# Altium PCB 400708.PcbDoc (part 1 of 4)
Units mm, origin at the board's own origin, x right, y up, seen from the top; angles counter-clockwise.
Board outline 117 x 63.5 mm, 4 copper layers (Top Layer, Mid-Layer 1, Mid-Layer 2, Bottom Layer), stack 1.556 mm thick; 207 components, 162 nets, 822 pads, 1266 vias.
Unrouted connection lines stored in the file: 43.
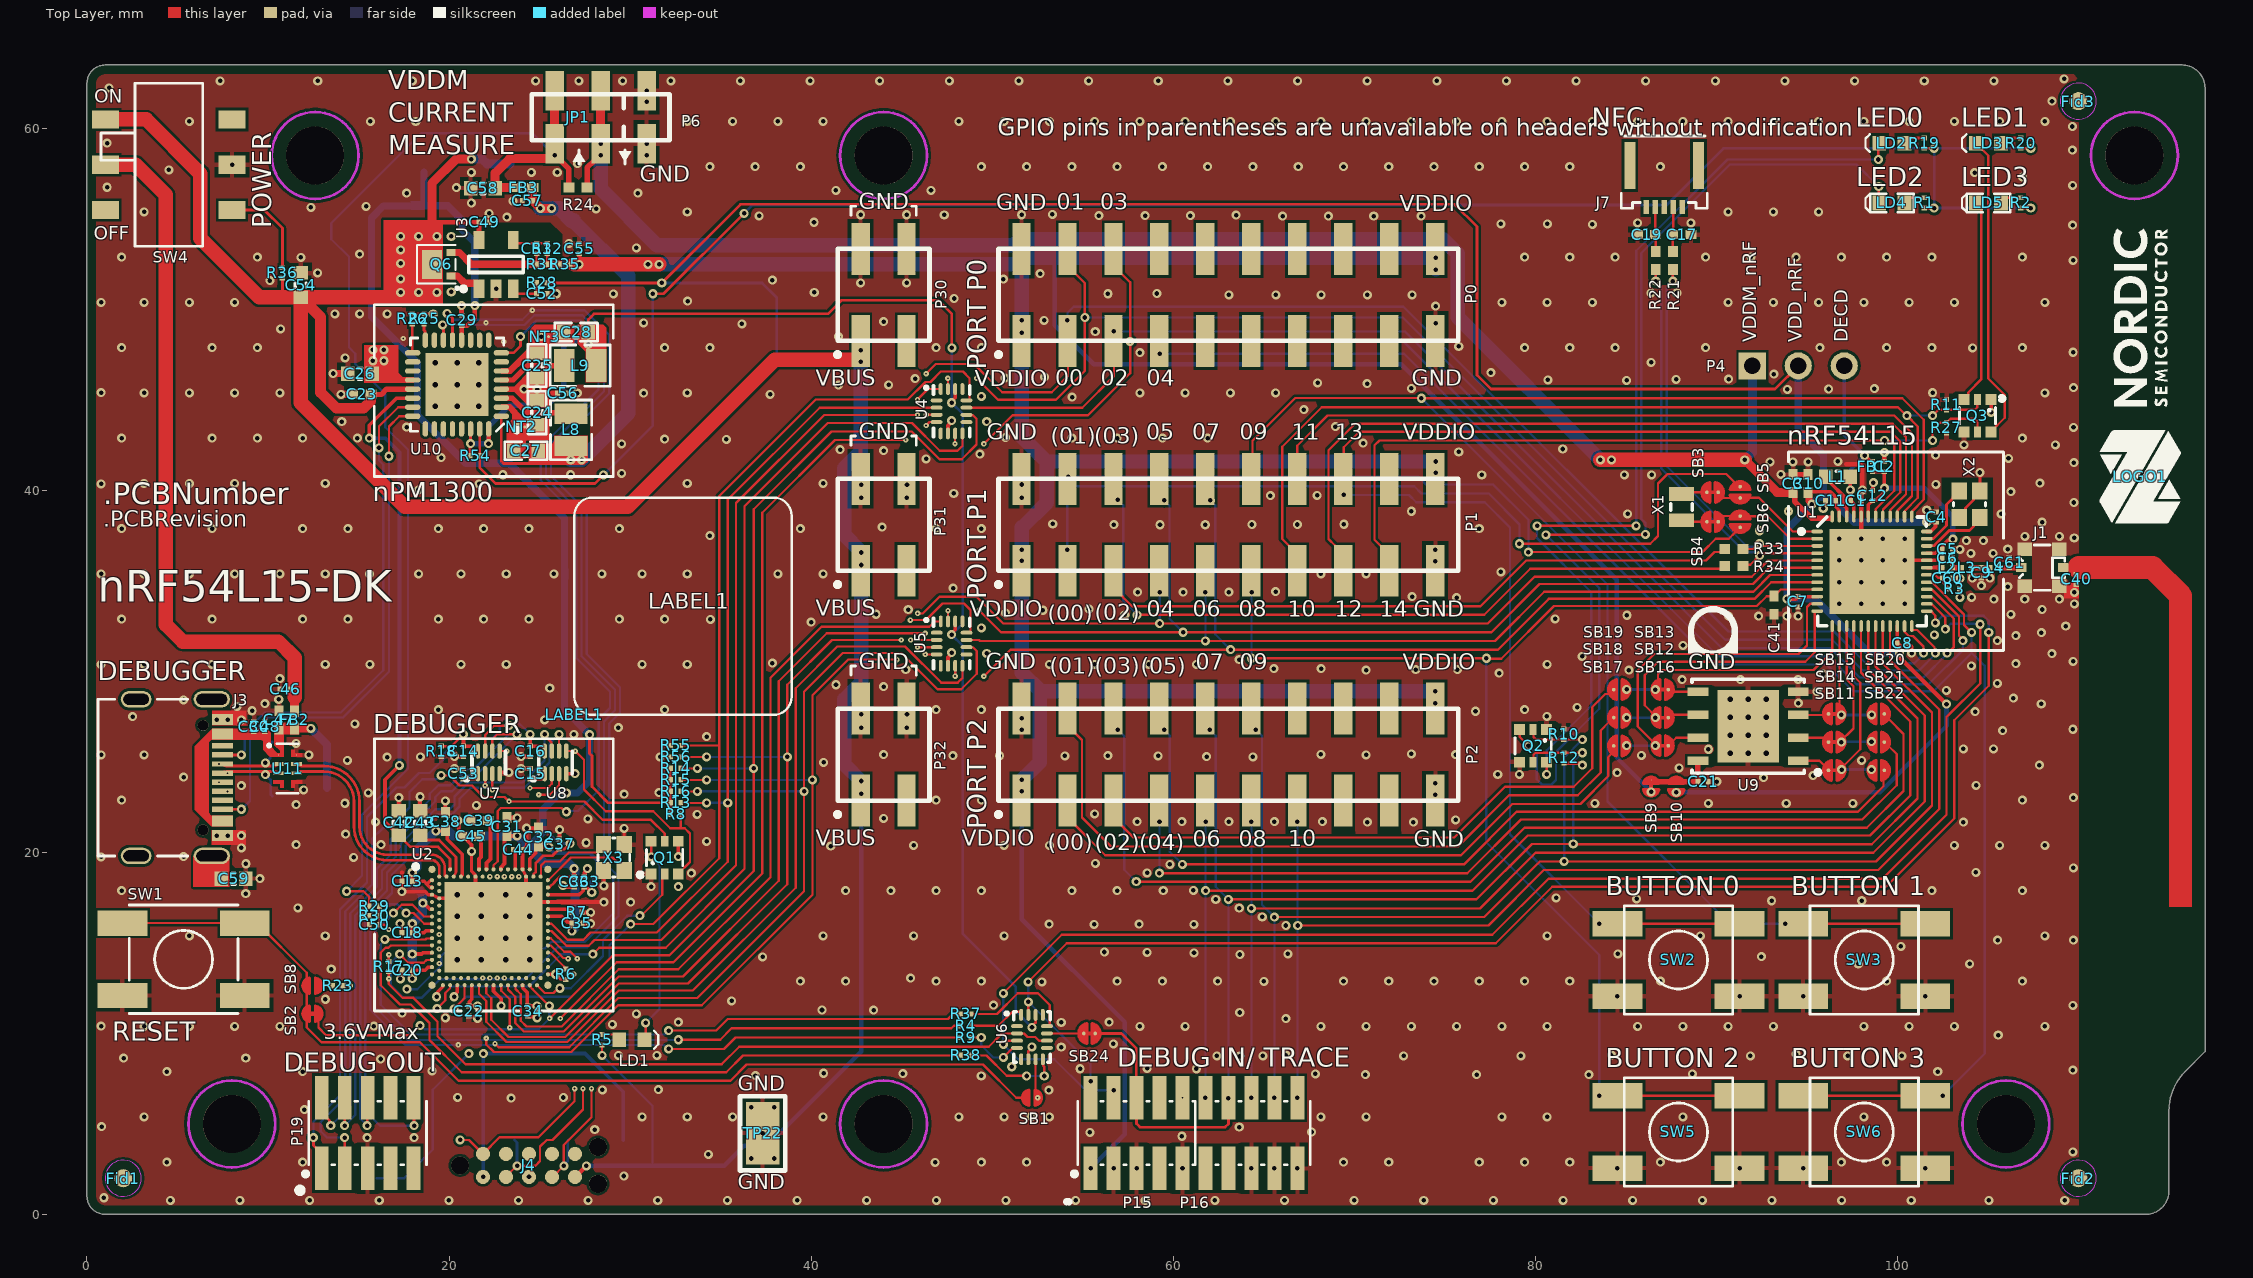
[diagram p0: Top Layer view]
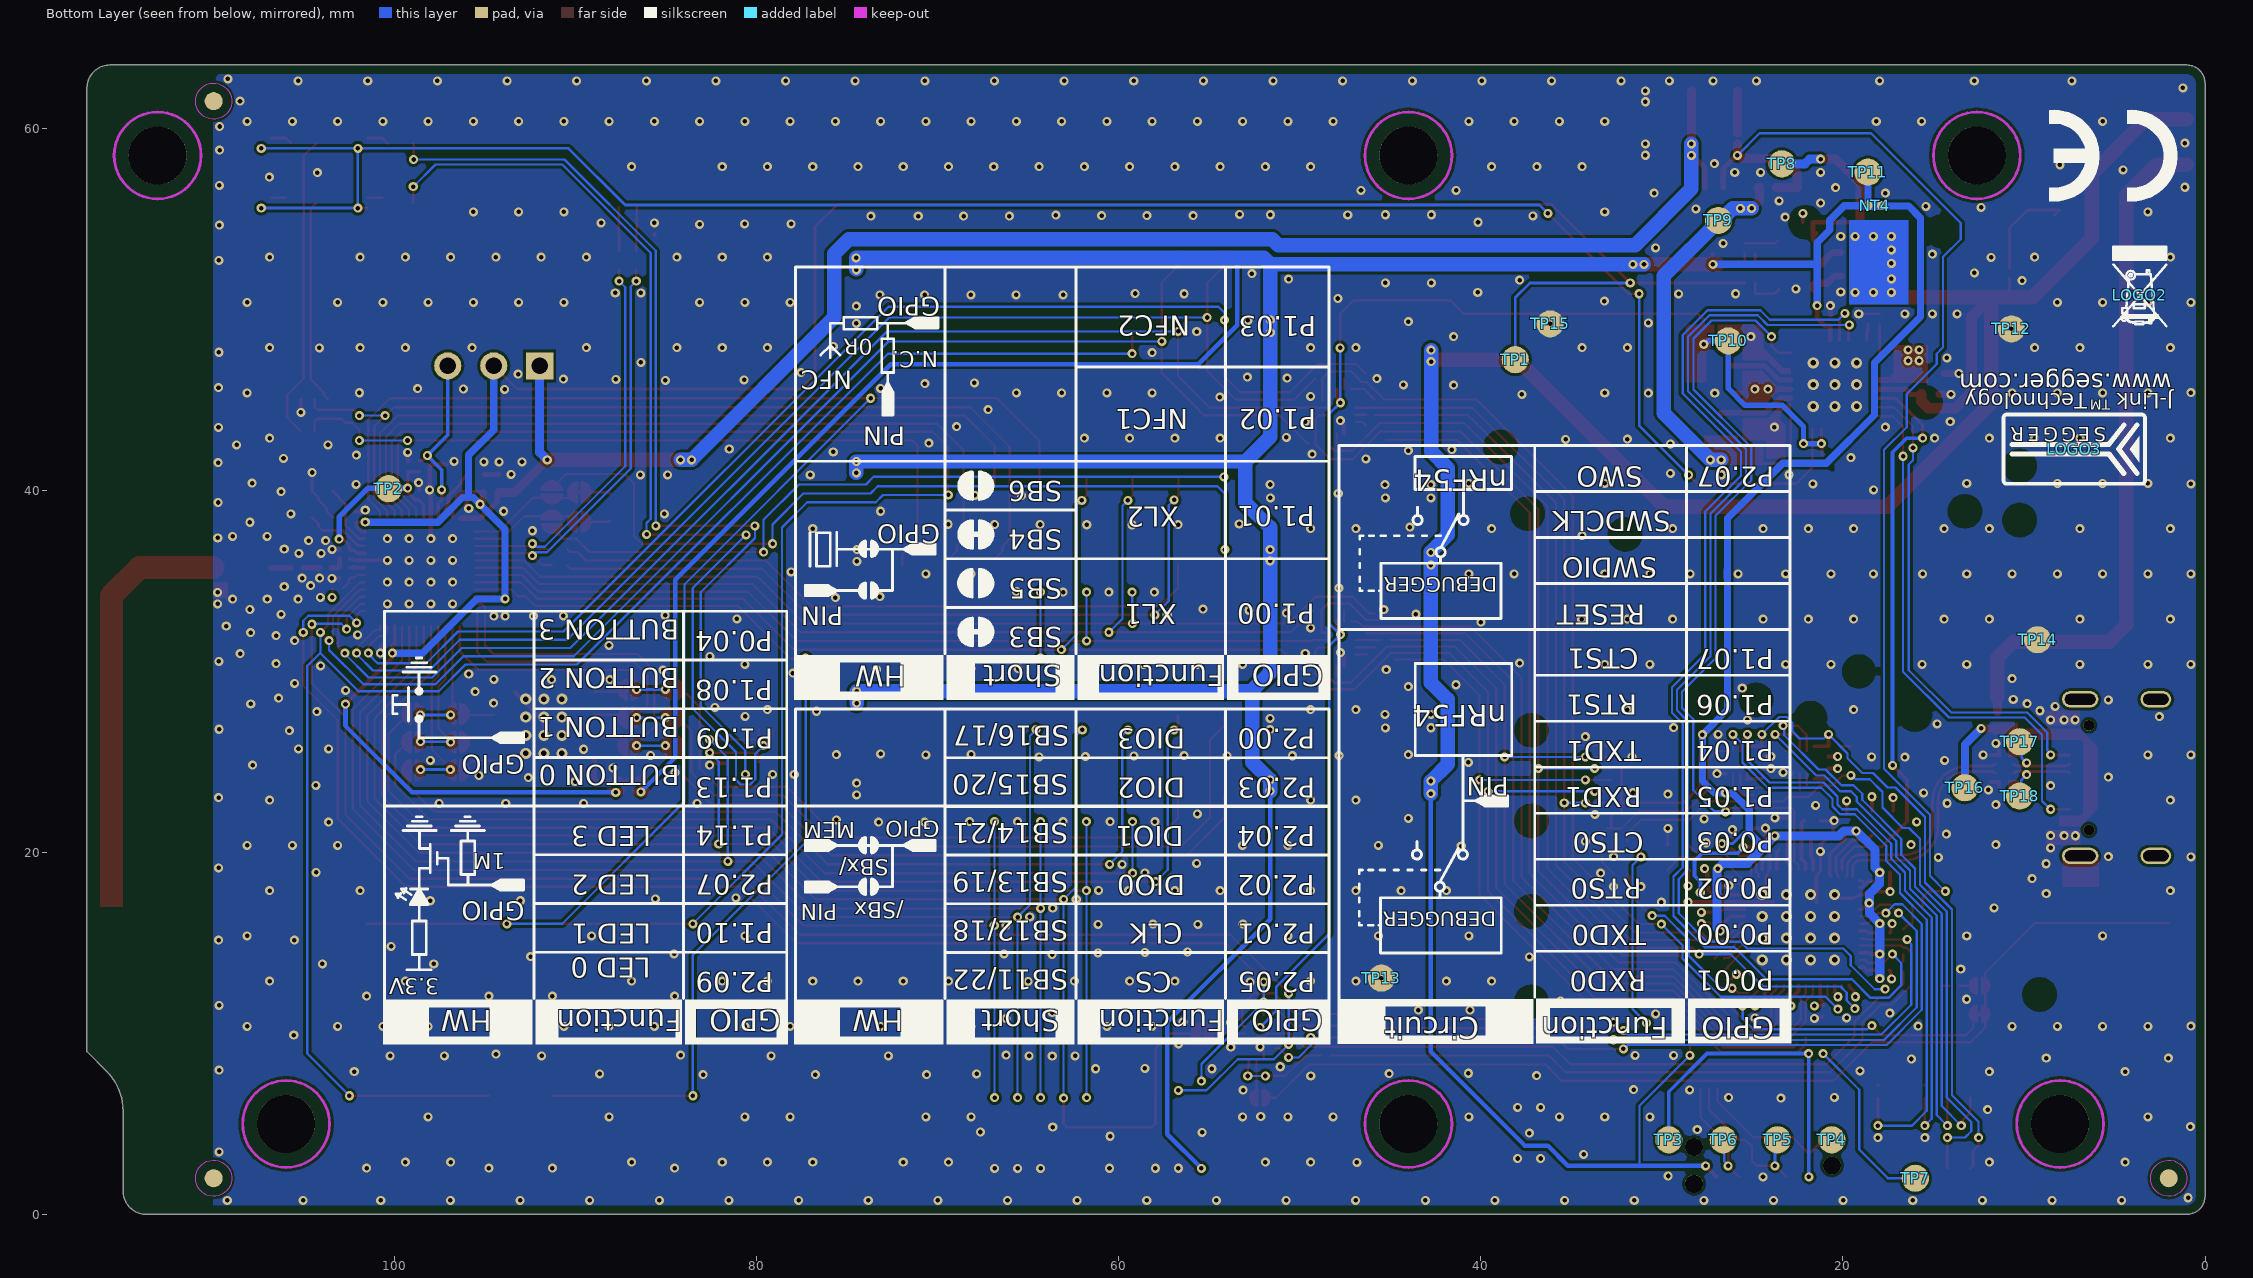
[diagram p1: Bottom Layer view, seen from below]
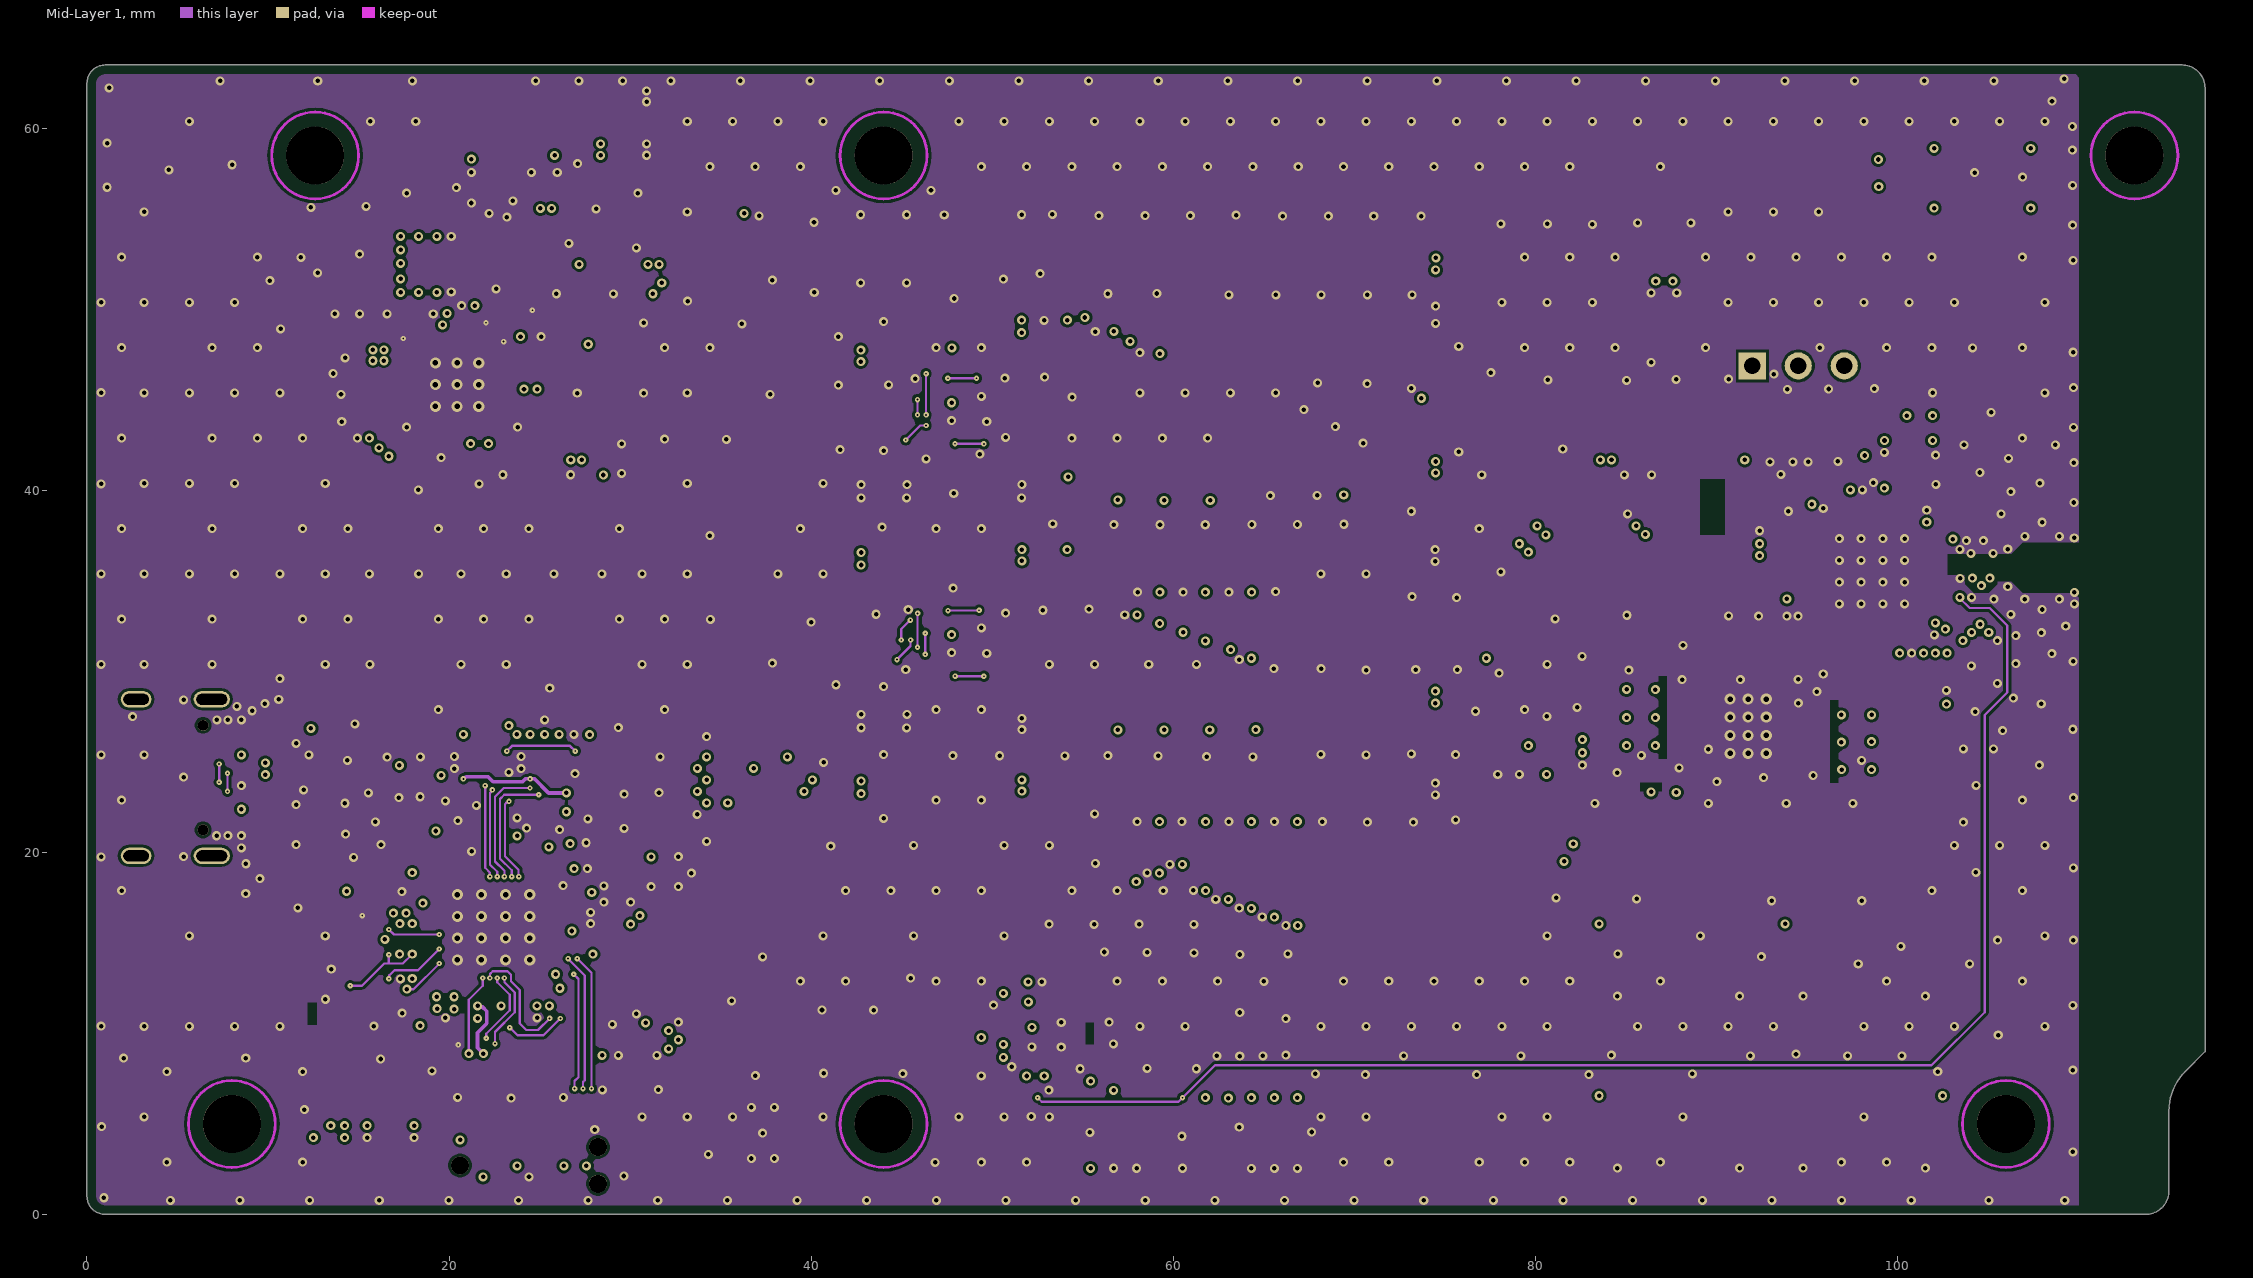
[diagram p2: Mid-Layer 1]
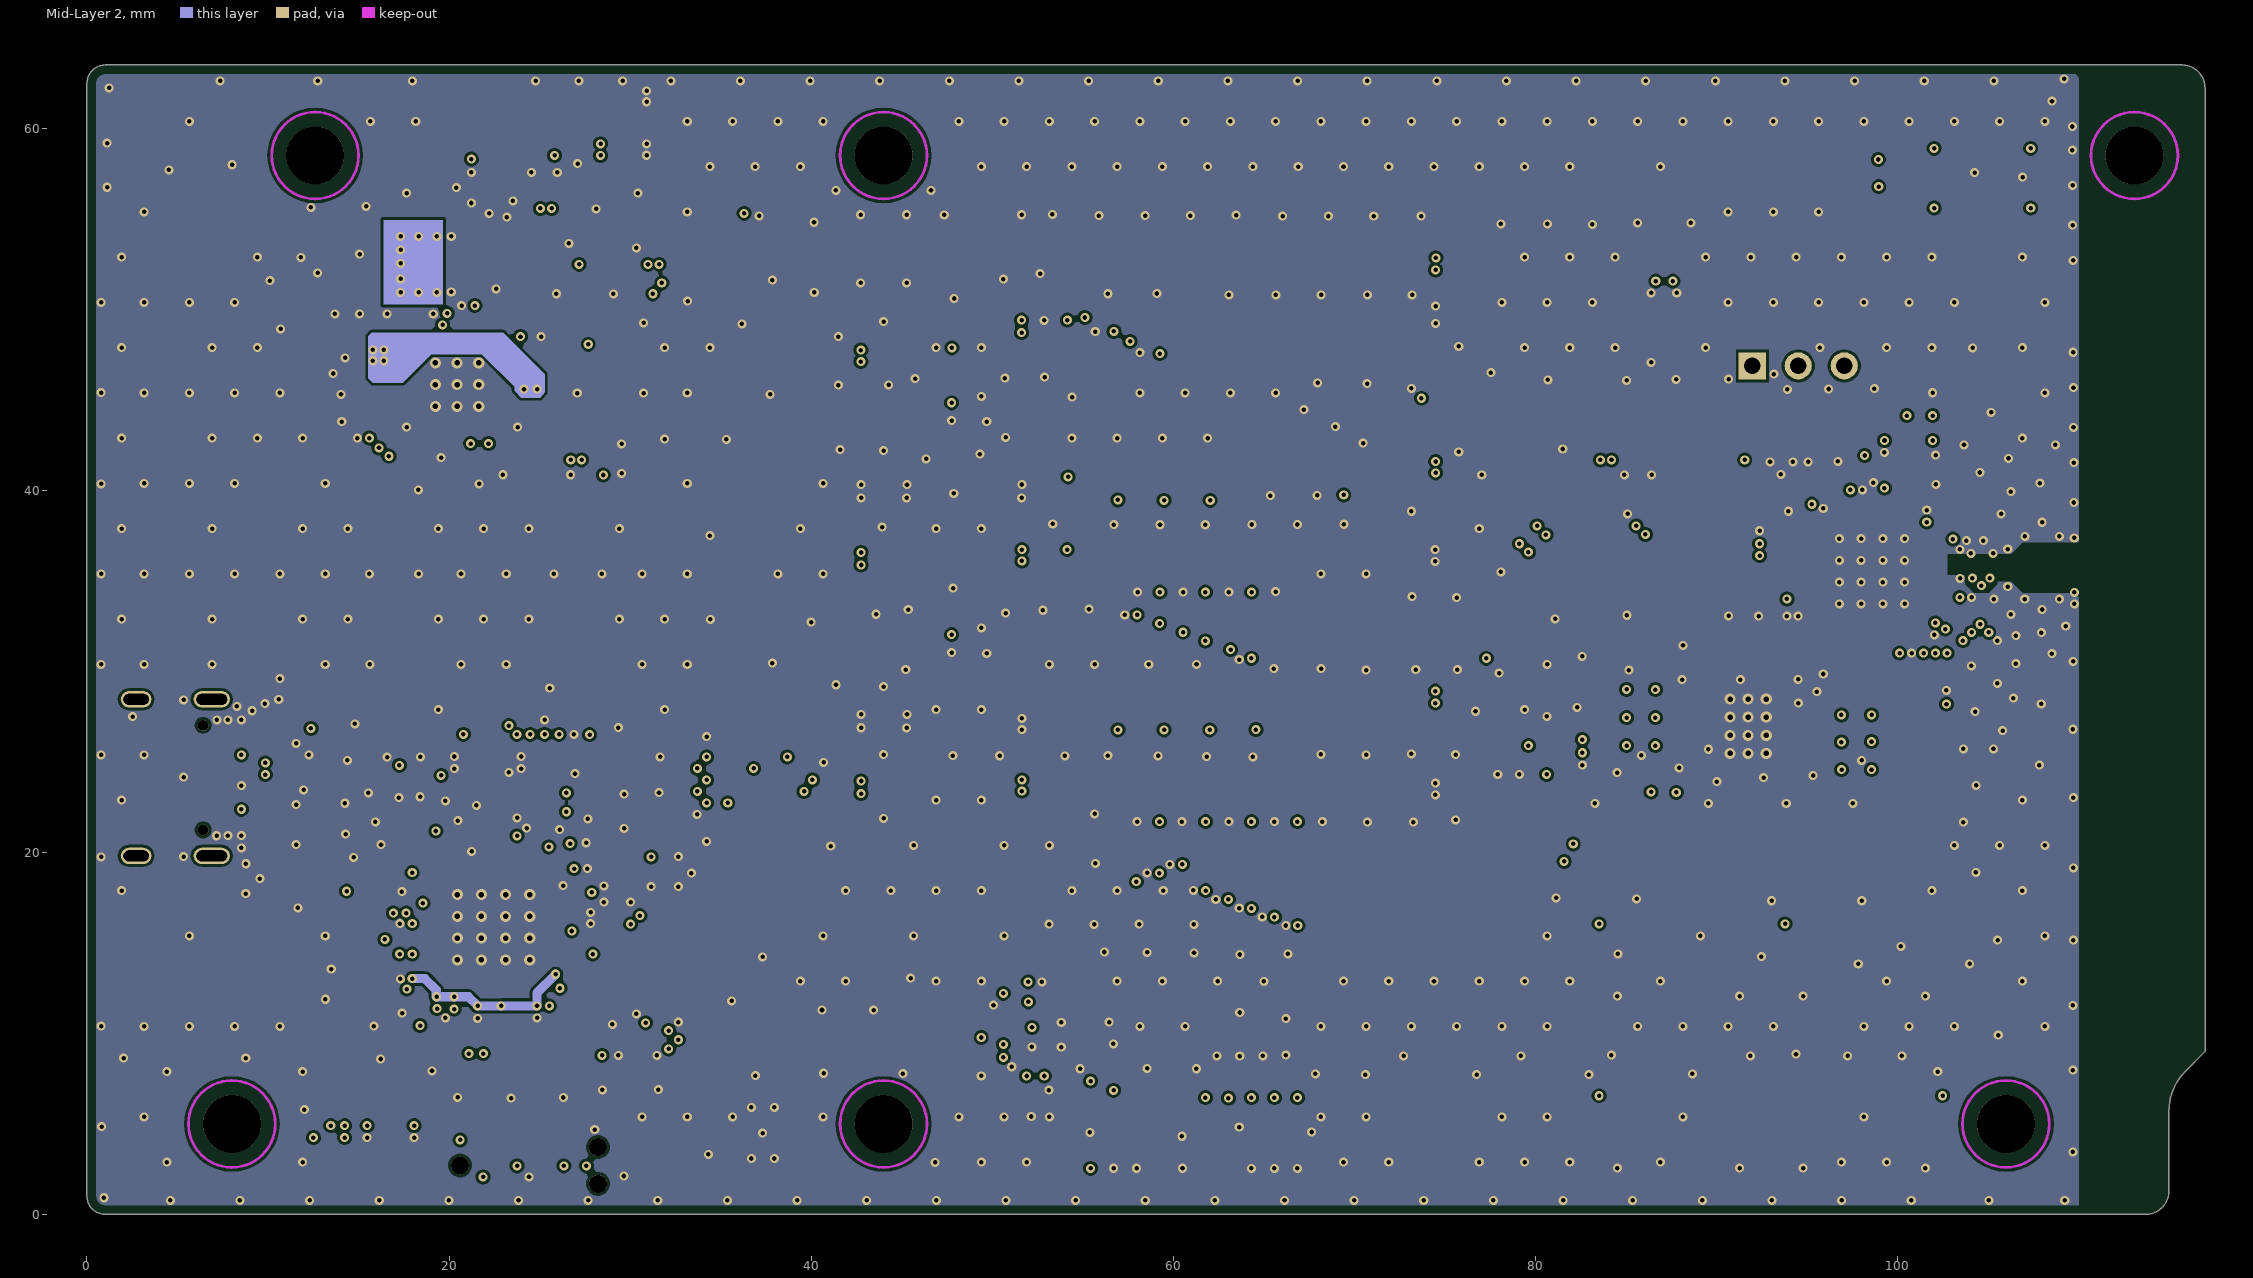
[diagram p3: Mid-Layer 2]
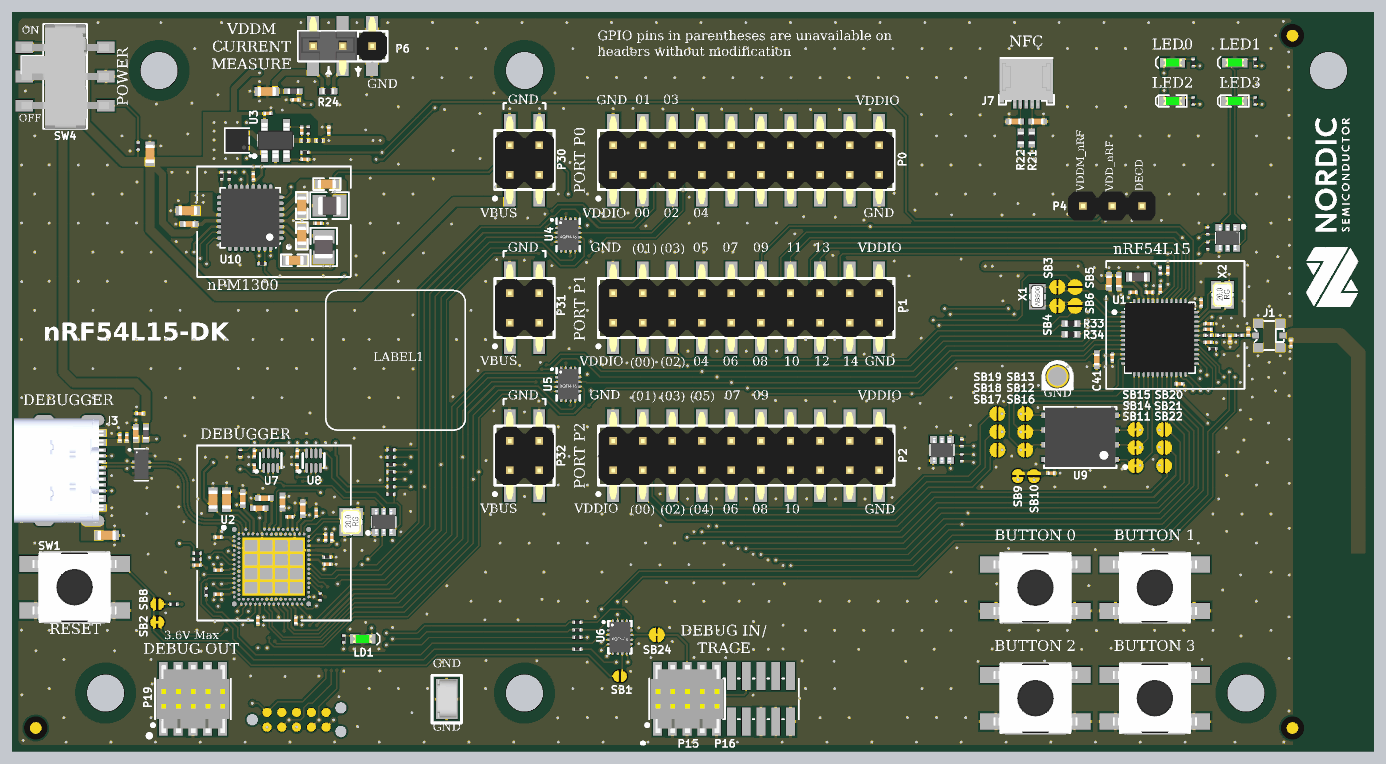
[diagram p7: 3D render of the assembled board from above, using the file's embedded part models]

## Layer stack, top to bottom
Top Solder: solder mask 0.0102, Solder Resist, Dk 3.5
Top Layer: signal copper 0.048
Dielectric 1: prepreg 0.1, PP-021, Dk 4.2
Mid-Layer 1: signal copper 0.03
Dielectric 2: core 1.2, Core-042, Dk 4.2
Mid-Layer 2: signal copper 0.03
Dielectric 3: prepreg 0.1, PP-021, Dk 4.2
Bottom Layer: signal copper 0.048
Bottom Solder: solder mask 0.0102, Solder Resist, Dk 3.5

## Board outline
1.016,0 cw(c1.016,1.016) 0,1.016 0,62.484 cw(c1.016,62.484) 1.016,63.5 115.734,63.5 cw(c115.734,62.23) 117.004,62.23 117.004,9 115.92,7.916 ccw(c118.132,5.705) 115.004,5.705 115.004,1.295 cw(c113.709,1.295) 113.709,0

## Design rules (kind name [scope] priority, off if disabled: settings)
AssemblyTestPointUsage [All] p1 off:
AssemblyTestpoint [All] p1 off: testpointundercomponent=TRUE minsize=1.016 maxsize=2.54 preferedsize=1.524 minholesize=0 maxholesize=1.016 preferedholesize=0.813 testpointgrid=0.025 usegrid=TRUE gridtolerance=0 allowsidetop=TRUE allowsidebottom=TRUE
BoardOutlineClearance [All] p1: gap=0.508 ignorepadtopadclearanceinfootprint=FALSE except(0: Arc-SplitContinuation Track-SplitContinuation SMDPad-SplitContinuation THPad-SplitContinuation Via-SplitContinuation Fill-SplitContinuation Poly-SplitContinuation Region-SplitContinuation Text-SplitContinuation)
Clearance ANT_Clearance [InNet('ANT') or InNet('RF') or InNet('NetC9_2') or InNet('NetC6_2')] p1: gap=0.16 ignorepadtopadclearanceinfootprint=FALSE
Clearance Polygon_Clearance [(InNamedPolygon('Mid_Layer1-GND')) or (InNamedPolygon('Bottom_Layer-GND')) or (InNamedPolygon('Mid_Layer2-GND')) or (InNamedPolygon('Top_Layer-GND'))] p2: gap=0.15 ignorepadtopadclearanceinfootprint=FALSE
Clearance Clearance_IMCU [WithinRoom('nRF5340')] p3: gap=0.1 ignorepadtopadclearanceinfootprint=FALSE
Clearance DiffPair_Clearance [InNetClass('IMCU_USB')] p4: gap=0.127 ignorepadtopadclearanceinfootprint=FALSE
Clearance [All] p5: gap=0.15 ignorepadtopadclearanceinfootprint=FALSE except(0.25: THPad-Region)
ComponentClearance [All] p1 off: gap=0.254 collisioncheckmode=3 verticalgap=0.254 showdistances=FALSE
DiffPairsRouting [InDifferentialPairClass('All Differential Pairs')] p1: maxlimit=0.15 minlimit=0.15 mostfreqgap=0.15 toplayer_minwidth=0.125 toplayer_maxwidth=0.153 toplayer_prefwidth=0.153 midlayer1_minwidth=0.125 midlayer1_maxwidth=0.153 midlayer1_prefwidth=0.125 midlayer4_minwidth=0.125 midlayer4_maxwidth=0.153 midlayer4_prefwidth=0.125 bottomlayer_minwidth=0.125 bottomlayer_maxwidth=0.153 bottomlayer_prefwidth=0.153 maxuncoupledlength=10
FabricationTestPointUsage TestPointUsage [All] p1 off: valid=2 allowmultiple=FALSE
FabricationTestpoint Testpoint [All] p1 off: side=2 testpointundercomponent=TRUE minsize=1.016 maxsize=2.54 preferedsize=1.524 minholesize=0 maxholesize=1.016 preferedholesize=0.813 testpointgrid=2.54 allowsidebottom=TRUE usegrid=TRUE gridtolerance=0
Height [All] p1 off: minheight=0 maxheight=25.4 prefheight=12.7
HoleSize [All] p1: absolutevalues=TRUE maxlimit=5 minlimit=0.1 maxpercent=80.000 minpercent=20.000
HoleToHoleClearance [IsThruVia] p1: gap=0.35 allowstackedmicrovias=FALSE
LayerPairs [All] p1 off: enforce=TRUE
MatchedLengths "Schematic Matched Net Lengths" [InNetClass('TRACE')] p1: tolerance=25.4 checknetsindiffpair=FALSE checkdiffpairvsdiffpair=TRUE checkxsignals=TRUE checkothers=TRUE usedelayunits=TRUE delaytolerance=500.000000
MatchedLengths MatchedLengths-Diffpairs [InDifferentialPairClass('All Differential Pairs')] p2: tolerance=1.27 checknetsindiffpair=TRUE checkdiffpairvsdiffpair=FALSE checkxsignals=FALSE checkothers=FALSE
MinimumAnnularRing [All] p1 off: minimumring=0.1
MinimumSolderMaskSliver [All] p1: minsoldermaskwidth=0.1
NetAntennae [All] p1 off: netantennaetolerance=0.3
PolygonConnect PolygonConnect_TP [HasFootprint('TP_SMD_D1.5mm') vs InNet('GND')] p1: connectstyle=Direct reliefconductorwidth=0.254 reliefentries=4 polygonreliefangle="90 Angle" airgapwidth=0.254
PolygonConnect PolygonConnect_SMT_Pads [HasFootprint('COAXIAL-SWF') or InComponent('C9') or InComponent('C61') vs InNet('GND')] p2: connectstyle=Direct reliefconductorwidth=0.254 reliefentries=4 polygonreliefangle="90 Angle" airgapwidth=0.254
PolygonConnect [All] p3: thpad.connectstyle=Relief thpad.reliefconductorwidth=0.254 thpad.reliefentries=4 thpad.polygonreliefangle="90 Angle" thpad.airgapwidth=0.2 smdpad.connectstyle=Relief smdpad.reliefconductorwidth=0.254 smdpad.reliefentries=4 smdpad.polygonreliefangle="90 Angle" smdpad.airgapwidth=0.2 via.connectstyle=Direct via.reliefconductorwidth=0.254 via.reliefentries=4 via.polygonreliefangle="90 Angle" via.airgapwidth=0.254
RoutingVias RoutingVias_Blind [IsBlindVia or IsMicroVia] p1: holewidth=0.711 width=1.27 viastyle="Through Hole" minholewidth=0.711 minwidth=1.27 maxholewidth=0.711 maxwidth=1.27 useviatemplates=TRUE viatemplateguid#1={B6F7EE11-84B8-42C4-BDC0-4B8B407402DD} viatemplatename#1=v30h10m0
RoutingVias RoutingVias_thru [IsThruVia] p2: holewidth=0.305 width=0.61 viastyle="Through Hole" minholewidth=0.305 minwidth=0.61 maxholewidth=0.711 maxwidth=1.27 useviatemplates=TRUE viatemplateguid#1={462064FF-42C7-473E-A651-561C1576AFDF} viatemplateguid#2={99171295-E844-4990-BFE5-753CC0A313CB} viatemplateguid#3={DB312F71-B2A7-4ABA-8448-376194653462} viatemplateguid#4={E2A9C569-A2DE-41A1-8420-4C4C8AB4608D} viatemplatename#1=v50h25m0mx0 viatemplatename#2=v50h25m0mx0(1) viatemplatename#3=v61h30 viatemplatename#4=v61h30m0mx0
ShortCircuit ShortCircuit_P15_P16 [InComponent('P15') vs InComponent('P16')] p1: allowed=TRUE
ShortCircuit ShortCircuit_PSS [InNet('PVSS1') or InNet('PVSS2') vs InNet('GND')] p2: allowed=TRUE
ShortCircuit [All] p3: allowed=FALSE
SilkToSilkClearance [All] p1 off: silktosilkclearance=0.254
SilkToSolderMaskClearance SilkscreenOverComponentPads [IsPad] p1 off: minsilkscreentomaskgap=0.254 clearancetoexposedcopper=TRUE
SolderMaskExpansion SolderMaskExpansion_XFDFN40 [HasFootprint('XFDFN40P180X120X40-8M')] p1: expansion=0.02 istentingtop=FALSE
SolderMaskExpansion SolderMaskExpansion_footprints [HasFootprint('UDFN65P200X200X60_HS-6N') or HasFootprint('SON50P300X80-HS-11N') or HasFootprint('US8') or HasFootprint('SON50P300X80_HS-9N') or HasFootprint('BGA25C40P5X5_200X200X50') or HasFootprint('QFN40P180X140X55-10N') or HasFootprint('DX07S016JA1R1500') or HasFootprint('AQFN40P700X700X85_HS-99N') or HasFootprint('Nordic_QFN50P500X500X90-33N')] p2: expansion=0.03 istentingtop=FALSE
SolderMaskExpansion SolderMaskExpansion_VIA [IsVia] p3: expansion=0.076 istentingtop=TRUE
SolderMaskExpansion [All] p4: expansion=0.05 istentingtop=FALSE
SupplyNets "Schematic Supply Nets_12" [InNet('P5V0')] p1: voltage=0.000
SupplyNets "Schematic Supply Nets_11" [InNet('GND')] p2: voltage=0.000
SupplyNets "Schematic Supply Nets_10" [InNet('VDDM_nRF')] p3: voltage=0.000
SupplyNets "Schematic Supply Nets_9" [InNet('VDDIO')] p4: voltage=0.000
SupplyNets "Schematic Supply Nets_8" [InNet('VDD_SWD0')] p5: voltage=0.000
SupplyNets "Schematic Supply Nets_7" [InNet('P3V3')] p6: voltage=0.000